# KiCad board SparkFun_Pro_Mini-ESP32_panelized.kicad_pcb (continued)
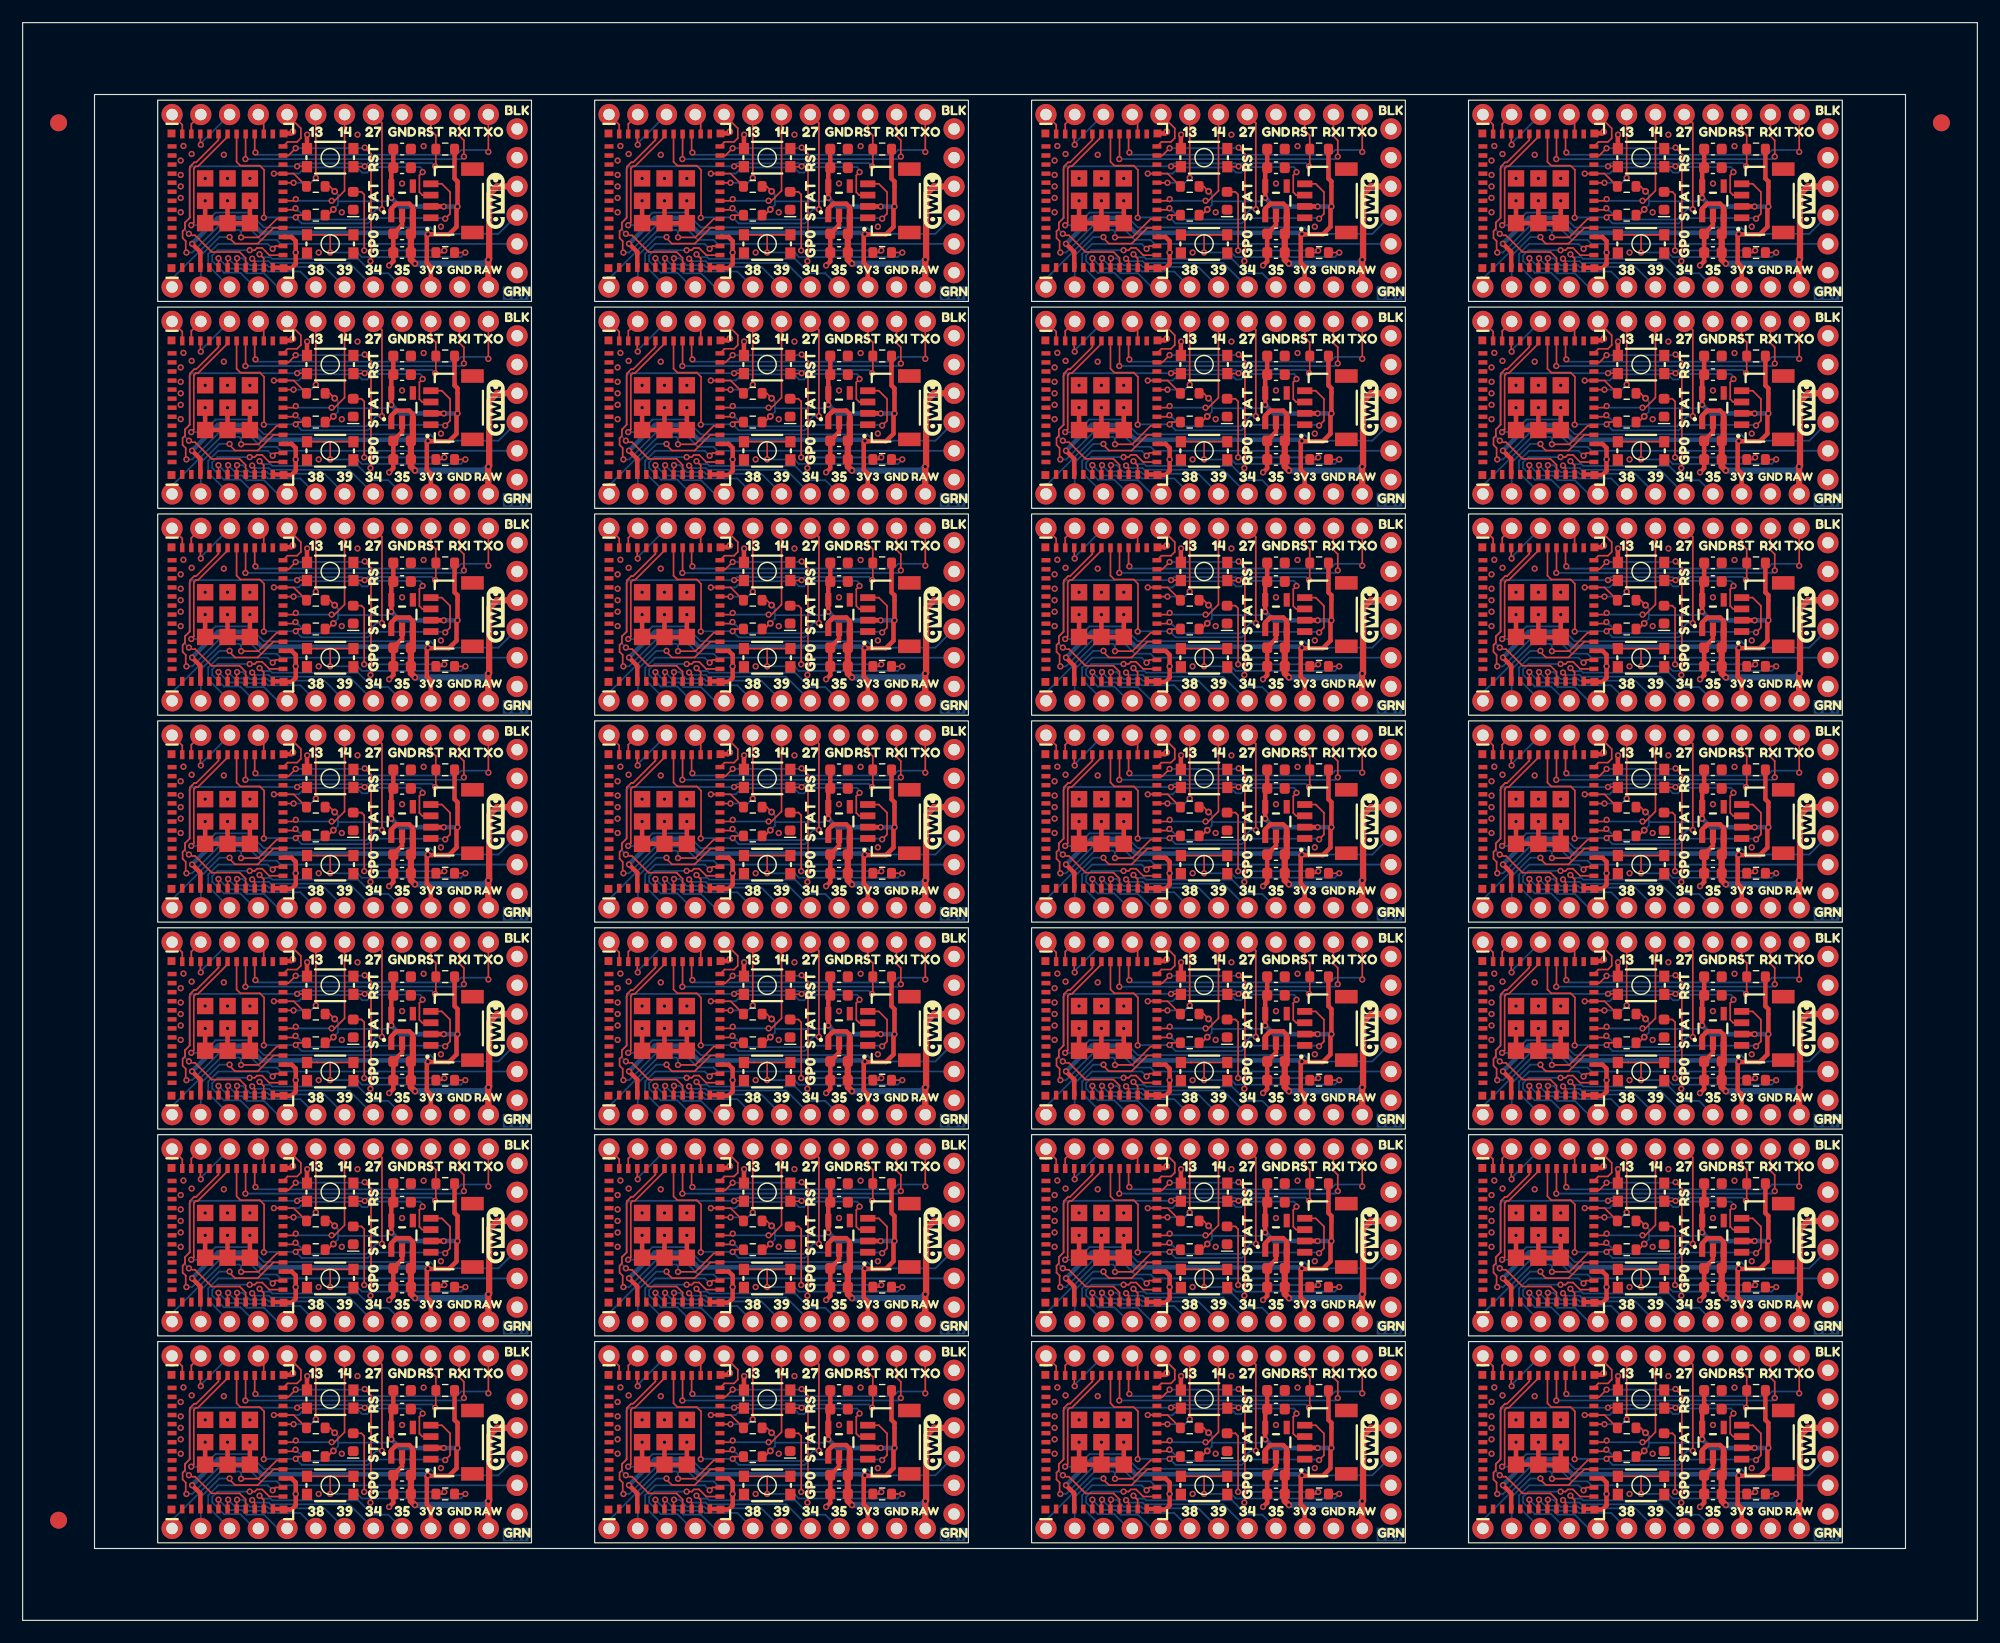
[diagram p0: board, top side]
## Placement (name value [footprint] x y rotation side) (continued)
kibuzzard-64DED6E1#5  G***  [kibuzzard-64DED6E1]  103.1 27.92 180 bottom
kibuzzard-64DED6E1#6  G***  [kibuzzard-64DED6E1]  103.1 64.48 180 bottom
kibuzzard-64DED6E1#7  G***  [kibuzzard-64DED6E1]  141.7 46.2 180 bottom
kibuzzard-64DED6E1#8  G***  [kibuzzard-64DED6E1]  64.5 64.48 180 bottom
kibuzzard-64DED6E1#9  G***  [kibuzzard-64DED6E1]  64.5 119.32 180 bottom
kibuzzard-64DED6E1#10  G***  [kibuzzard-64DED6E1]  141.7 101.04 180 bottom
kibuzzard-64DED6E1#11  G***  [kibuzzard-64DED6E1]  141.7 9.64 180 bottom
kibuzzard-64DED6E1#12  G***  [kibuzzard-64DED6E1]  141.7 27.92 180 bottom
kibuzzard-64DED6E1#13  G***  [kibuzzard-64DED6E1]  64.5 82.76 180 bottom
kibuzzard-64DED6E1#14  G***  [kibuzzard-64DED6E1]  25.9 46.2 180 bottom
kibuzzard-64DED6E1#15  G***  [kibuzzard-64DED6E1]  141.7 82.76 180 bottom
kibuzzard-64DED6E1#16  G***  [kibuzzard-64DED6E1]  103.1 9.64 180 bottom
kibuzzard-64DED6E1#17  G***  [kibuzzard-64DED6E1]  103.1 119.32 180 bottom
kibuzzard-64DED6E1#18  G***  [kibuzzard-64DED6E1]  141.7 64.48 180 bottom
kibuzzard-64DED6E1#19  G***  [kibuzzard-64DED6E1]  103.1 82.76 180 bottom
kibuzzard-64DED6E1#20  G***  [kibuzzard-64DED6E1]  64.5 27.92 180 bottom
kibuzzard-64DED6E1#21  G***  [kibuzzard-64DED6E1]  103.1 46.2 180 bottom
kibuzzard-64DED6E1#22  G***  [kibuzzard-64DED6E1]  25.9 119.32 180 bottom
kibuzzard-64DED6E1#23  G***  [kibuzzard-64DED6E1]  103.1 101.04 180 bottom
kibuzzard-64DED6E1#24  G***  [kibuzzard-64DED6E1]  141.7 119.32 180 bottom
kibuzzard-64DED6E1#25  G***  [kibuzzard-64DED6E1]  64.5 46.2 180 bottom
kibuzzard-64DED6E1#26  G***  [kibuzzard-64DED6E1]  25.9 9.64 180 bottom
kibuzzard-64DED6E1#27  G***  [kibuzzard-64DED6E1]  25.9 82.76 180 bottom
kibuzzard-64DED6E1#28  G***  [kibuzzard-64DED6E1]  25.9 27.92 180 bottom
kibuzzard-64DED6E8  G***  [kibuzzard-64DED6E8]  105.64 46.2 180 bottom
kibuzzard-64DED6E8#2  G***  [kibuzzard-64DED6E8]  28.44 9.64 180 bottom
kibuzzard-64DED6E8#3  G***  [kibuzzard-64DED6E8]  67.04 27.92 180 bottom
kibuzzard-64DED6E8#4  G***  [kibuzzard-64DED6E8]  144.24 82.76 180 bottom
kibuzzard-64DED6E8#5  G***  [kibuzzard-64DED6E8]  67.04 82.76 180 bottom
kibuzzard-64DED6E8#6  G***  [kibuzzard-64DED6E8]  67.04 46.2 180 bottom
kibuzzard-64DED6E8#7  G***  [kibuzzard-64DED6E8]  105.64 64.48 180 bottom
kibuzzard-64DED6E8#8  G***  [kibuzzard-64DED6E8]  28.44 119.32 180 bottom
kibuzzard-64DED6E8#9  G***  [kibuzzard-64DED6E8]  28.44 27.92 180 bottom
kibuzzard-64DED6E8#10  G***  [kibuzzard-64DED6E8]  28.44 46.2 180 bottom
kibuzzard-64DED6E8#11  G***  [kibuzzard-64DED6E8]  105.64 101.04 180 bottom
kibuzzard-64DED6E8#12  G***  [kibuzzard-64DED6E8]  105.64 27.92 180 bottom
kibuzzard-64DED6E8#13  G***  [kibuzzard-64DED6E8]  144.24 119.32 180 bottom
kibuzzard-64DED6E8#14  G***  [kibuzzard-64DED6E8]  144.24 101.04 180 bottom
kibuzzard-64DED6E8#15  G***  [kibuzzard-64DED6E8]  144.24 64.48 180 bottom
kibuzzard-64DED6E8#16  G***  [kibuzzard-64DED6E8]  144.24 27.92 180 bottom
kibuzzard-64DED6E8#17  G***  [kibuzzard-64DED6E8]  105.64 9.64 180 bottom
kibuzzard-64DED6E8#18  G***  [kibuzzard-64DED6E8]  105.64 119.32 180 bottom
kibuzzard-64DED6E8#19  G***  [kibuzzard-64DED6E8]  67.04 101.04 180 bottom
kibuzzard-64DED6E8#20  G***  [kibuzzard-64DED6E8]  28.44 101.04 180 bottom
kibuzzard-64DED6E8#21  G***  [kibuzzard-64DED6E8]  28.44 82.76 180 bottom
kibuzzard-64DED6E8#22  G***  [kibuzzard-64DED6E8]  67.04 9.64 180 bottom
kibuzzard-64DED6E8#23  G***  [kibuzzard-64DED6E8]  28.44 64.48 180 bottom
kibuzzard-64DED6E8#24  G***  [kibuzzard-64DED6E8]  67.04 64.48 180 bottom
kibuzzard-64DED6E8#25  G***  [kibuzzard-64DED6E8]  144.24 46.2 180 bottom
kibuzzard-64DED6E8#26  G***  [kibuzzard-64DED6E8]  67.04 119.32 180 bottom
kibuzzard-64DED6E8#27  G***  [kibuzzard-64DED6E8]  105.64 82.76 180 bottom
kibuzzard-64DED6E8#28  G***  [kibuzzard-64DED6E8]  144.24 9.64 180 bottom
kibuzzard-64DED6F2  G***  [kibuzzard-64DED6F2]  108.18 46.2 180 bottom
kibuzzard-64DED6F2#2  G***  [kibuzzard-64DED6F2]  69.58 9.64 180 bottom
kibuzzard-64DED6F2#3  G***  [kibuzzard-64DED6F2]  69.58 27.92 180 bottom
kibuzzard-64DED6F2#4  G***  [kibuzzard-64DED6F2]  146.78 82.76 180 bottom
kibuzzard-64DED6F2#5  G***  [kibuzzard-64DED6F2]  108.18 119.32 180 bottom
kibuzzard-64DED6F2#6  G***  [kibuzzard-64DED6F2]  30.98 46.2 180 bottom
kibuzzard-64DED6F2#7  G***  [kibuzzard-64DED6F2]  108.18 27.92 180 bottom
kibuzzard-64DED6F2#8  G***  [kibuzzard-64DED6F2]  69.58 46.2 180 bottom
kibuzzard-64DED6F2#9  G***  [kibuzzard-64DED6F2]  146.78 101.04 180 bottom
kibuzzard-64DED6F2#10  G***  [kibuzzard-64DED6F2]  146.78 119.32 180 bottom
kibuzzard-64DED6F2#11  G***  [kibuzzard-64DED6F2]  146.78 64.48 180 bottom
kibuzzard-64DED6F2#12  G***  [kibuzzard-64DED6F2]  69.58 101.04 180 bottom
kibuzzard-64DED6F2#13  G***  [kibuzzard-64DED6F2]  146.78 46.2 180 bottom
kibuzzard-64DED6F2#14  G***  [kibuzzard-64DED6F2]  30.98 119.32 180 bottom
kibuzzard-64DED6F2#15  G***  [kibuzzard-64DED6F2]  69.58 119.32 180 bottom
kibuzzard-64DED6F2#16  G***  [kibuzzard-64DED6F2]  69.58 64.48 180 bottom
kibuzzard-64DED6F2#17  G***  [kibuzzard-64DED6F2]  108.18 82.76 180 bottom
kibuzzard-64DED6F2#18  G***  [kibuzzard-64DED6F2]  146.78 27.92 180 bottom
kibuzzard-64DED6F2#19  G***  [kibuzzard-64DED6F2]  69.58 82.76 180 bottom
kibuzzard-64DED6F2#20  G***  [kibuzzard-64DED6F2]  30.98 82.76 180 bottom
kibuzzard-64DED6F2#21  G***  [kibuzzard-64DED6F2]  30.98 9.64 180 bottom
kibuzzard-64DED6F2#22  G***  [kibuzzard-64DED6F2]  146.78 9.64 180 bottom
kibuzzard-64DED6F2#23  G***  [kibuzzard-64DED6F2]  30.98 27.92 180 bottom
kibuzzard-64DED6F2#24  G***  [kibuzzard-64DED6F2]  108.18 9.64 180 bottom
kibuzzard-64DED6F2#25  G***  [kibuzzard-64DED6F2]  108.18 64.48 180 bottom
kibuzzard-64DED6F2#26  G***  [kibuzzard-64DED6F2]  30.98 64.48 180 bottom
kibuzzard-64DED6F2#27  G***  [kibuzzard-64DED6F2]  108.18 101.04 180 bottom
kibuzzard-64DED6F2#28  G***  [kibuzzard-64DED6F2]  30.98 101.04 180 bottom
kibuzzard-64DED6FA  G***  [kibuzzard-64DED6FA]  33.52 82.76 180 bottom
kibuzzard-64DED6FA#2  G***  [kibuzzard-64DED6FA]  149.32 9.64 180 bottom
kibuzzard-64DED6FA#3  G***  [kibuzzard-64DED6FA]  110.72 27.92 180 bottom
kibuzzard-64DED6FA#4  G***  [kibuzzard-64DED6FA]  72.12 101.04 180 bottom
kibuzzard-64DED6FA#5  G***  [kibuzzard-64DED6FA]  72.12 9.64 180 bottom
kibuzzard-64DED6FA#6  G***  [kibuzzard-64DED6FA]  149.32 46.2 180 bottom
kibuzzard-64DED6FA#7  G***  [kibuzzard-64DED6FA]  33.52 27.92 180 bottom
kibuzzard-64DED6FA#8  G***  [kibuzzard-64DED6FA]  149.32 101.04 180 bottom
kibuzzard-64DED6FA#9  G***  [kibuzzard-64DED6FA]  33.52 46.2 180 bottom
kibuzzard-64DED6FA#10  G***  [kibuzzard-64DED6FA]  110.72 9.64 180 bottom
kibuzzard-64DED6FA#11  G***  [kibuzzard-64DED6FA]  72.12 64.48 180 bottom
kibuzzard-64DED6FA#12  G***  [kibuzzard-64DED6FA]  33.52 101.04 180 bottom
kibuzzard-64DED6FA#13  G***  [kibuzzard-64DED6FA]  149.32 64.48 180 bottom
kibuzzard-64DED6FA#14  G***  [kibuzzard-64DED6FA]  149.32 27.92 180 bottom
kibuzzard-64DED6FA#15  G***  [kibuzzard-64DED6FA]  33.52 9.64 180 bottom
kibuzzard-64DED6FA#16  G***  [kibuzzard-64DED6FA]  72.12 27.92 180 bottom
kibuzzard-64DED6FA#17  G***  [kibuzzard-64DED6FA]  110.72 64.48 180 bottom
kibuzzard-64DED6FA#18  G***  [kibuzzard-64DED6FA]  149.32 119.32 180 bottom
kibuzzard-64DED6FA#19  G***  [kibuzzard-64DED6FA]  110.72 82.76 180 bottom
kibuzzard-64DED6FA#20  G***  [kibuzzard-64DED6FA]  33.52 119.32 180 bottom
kibuzzard-64DED6FA#21  G***  [kibuzzard-64DED6FA]  72.12 46.2 180 bottom
kibuzzard-64DED6FA#22  G***  [kibuzzard-64DED6FA]  110.72 101.04 180 bottom
kibuzzard-64DED6FA#23  G***  [kibuzzard-64DED6FA]  72.12 119.32 180 bottom
kibuzzard-64DED6FA#24  G***  [kibuzzard-64DED6FA]  72.12 82.76 180 bottom
kibuzzard-64DED6FA#25  G***  [kibuzzard-64DED6FA]  110.72 46.2 180 bottom
kibuzzard-64DED6FA#26  G***  [kibuzzard-64DED6FA]  33.52 64.48 180 bottom
kibuzzard-64DED6FA#27  G***  [kibuzzard-64DED6FA]  149.32 82.76 180 bottom
kibuzzard-64DED6FA#28  G***  [kibuzzard-64DED6FA]  110.72 119.32 180 bottom
kibuzzard-64DED7AA  G***  [kibuzzard-64DED7AA]  118.34 21.84 180 bottom
kibuzzard-64DED7AA#2  G***  [kibuzzard-64DED7AA]  41.14 21.84 180 bottom
kibuzzard-64DED7AA#3  G***  [kibuzzard-64DED7AA]  79.74 131.52 180 bottom
kibuzzard-64DED7AA#4  G***  [kibuzzard-64DED7AA]  79.74 113.24 180 bottom
kibuzzard-64DED7AA#5  G***  [kibuzzard-64DED7AA]  41.14 58.4 180 bottom
kibuzzard-64DED7AA#6  G***  [kibuzzard-64DED7AA]  156.94 58.4 180 bottom
kibuzzard-64DED7AA#7  G***  [kibuzzard-64DED7AA]  41.14 131.52 180 bottom
kibuzzard-64DED7AA#8  G***  [kibuzzard-64DED7AA]  118.34 113.24 180 bottom
kibuzzard-64DED7AA#9  G***  [kibuzzard-64DED7AA]  41.14 94.96 180 bottom
kibuzzard-64DED7AA#10  G***  [kibuzzard-64DED7AA]  79.74 76.68 180 bottom
kibuzzard-64DED7AA#11  G***  [kibuzzard-64DED7AA]  79.74 40.12 180 bottom
kibuzzard-64DED7AA#12  G***  [kibuzzard-64DED7AA]  79.74 94.96 180 bottom
kibuzzard-64DED7AA#13  G***  [kibuzzard-64DED7AA]  156.94 94.96 180 bottom
kibuzzard-64DED7AA#14  G***  [kibuzzard-64DED7AA]  79.74 58.4 180 bottom
kibuzzard-64DED7AA#15  G***  [kibuzzard-64DED7AA]  41.14 40.12 180 bottom
kibuzzard-64DED7AA#16  G***  [kibuzzard-64DED7AA]  118.34 40.12 180 bottom
kibuzzard-64DED7AA#17  G***  [kibuzzard-64DED7AA]  118.34 58.4 180 bottom
kibuzzard-64DED7AA#18  G***  [kibuzzard-64DED7AA]  41.14 76.68 180 bottom
kibuzzard-64DED7AA#19  G***  [kibuzzard-64DED7AA]  156.94 40.12 180 bottom
kibuzzard-64DED7AA#20  G***  [kibuzzard-64DED7AA]  118.34 94.96 180 bottom
kibuzzard-64DED7AA#21  G***  [kibuzzard-64DED7AA]  79.74 21.84 180 bottom
kibuzzard-64DED7AA#22  G***  [kibuzzard-64DED7AA]  156.94 131.52 180 bottom
kibuzzard-64DED7AA#23  G***  [kibuzzard-64DED7AA]  156.94 76.68 180 bottom
kibuzzard-64DED7AA#24  G***  [kibuzzard-64DED7AA]  118.34 76.68 180 bottom
kibuzzard-64DED7AA#25  G***  [kibuzzard-64DED7AA]  41.14 113.24 180 bottom
kibuzzard-64DED7AA#26  G***  [kibuzzard-64DED7AA]  118.34 131.52 180 bottom
kibuzzard-64DED7AA#27  G***  [kibuzzard-64DED7AA]  156.94 113.24 180 bottom
kibuzzard-64DED7AA#28  G***  [kibuzzard-64DED7AA]  156.94 21.84 180 bottom
kibuzzard-64DED7E9  G***  [kibuzzard-64DED7E9]  61.96 94.96 180 bottom
kibuzzard-64DED7E9#2  G***  [kibuzzard-64DED7E9]  61.96 58.4 180 bottom
kibuzzard-64DED7E9#3  G***  [kibuzzard-64DED7E9]  139.16 58.4 180 bottom
kibuzzard-64DED7E9#4  G***  [kibuzzard-64DED7E9]  23.36 21.84 180 bottom
kibuzzard-64DED7E9#5  G***  [kibuzzard-64DED7E9]  100.56 113.24 180 bottom
kibuzzard-64DED7E9#6  G***  [kibuzzard-64DED7E9]  61.96 76.68 180 bottom
kibuzzard-64DED7E9#7  G***  [kibuzzard-64DED7E9]  100.56 94.96 180 bottom
kibuzzard-64DED7E9#8  G***  [kibuzzard-64DED7E9]  61.96 21.84 180 bottom
kibuzzard-64DED7E9#9  G***  [kibuzzard-64DED7E9]  139.16 76.68 180 bottom
kibuzzard-64DED7E9#10  G***  [kibuzzard-64DED7E9]  23.36 113.24 180 bottom
kibuzzard-64DED7E9#11  G***  [kibuzzard-64DED7E9]  139.16 40.12 180 bottom
kibuzzard-64DED7E9#12  G***  [kibuzzard-64DED7E9]  139.16 94.96 180 bottom
kibuzzard-64DED7E9#13  G***  [kibuzzard-64DED7E9]  23.36 58.4 180 bottom
kibuzzard-64DED7E9#14  G***  [kibuzzard-64DED7E9]  23.36 40.12 180 bottom
kibuzzard-64DED7E9#15  G***  [kibuzzard-64DED7E9]  139.16 113.24 180 bottom
kibuzzard-64DED7E9#16  G***  [kibuzzard-64DED7E9]  100.56 58.4 180 bottom
kibuzzard-64DED7E9#17  G***  [kibuzzard-64DED7E9]  100.56 21.84 180 bottom
kibuzzard-64DED7E9#18  G***  [kibuzzard-64DED7E9]  139.16 21.84 180 bottom
kibuzzard-64DED7E9#19  G***  [kibuzzard-64DED7E9]  100.56 76.68 180 bottom
kibuzzard-64DED7E9#20  G***  [kibuzzard-64DED7E9]  61.96 113.24 180 bottom
kibuzzard-64DED7E9#21  G***  [kibuzzard-64DED7E9]  61.96 131.52 180 bottom
kibuzzard-64DED7E9#22  G***  [kibuzzard-64DED7E9]  100.56 40.12 180 bottom
kibuzzard-64DED7E9#23  G***  [kibuzzard-64DED7E9]  100.56 131.52 180 bottom
kibuzzard-64DED7E9#24  G***  [kibuzzard-64DED7E9]  23.36 94.96 180 bottom
kibuzzard-64DED7E9#25  G***  [kibuzzard-64DED7E9]  139.16 131.52 180 bottom
kibuzzard-64DED7E9#26  G***  [kibuzzard-64DED7E9]  61.96 40.12 180 bottom
kibuzzard-64DED7E9#27  G***  [kibuzzard-64DED7E9]  23.36 76.68 180 bottom
kibuzzard-64DED7E9#28  G***  [kibuzzard-64DED7E9]  23.36 131.52 180 bottom
kibuzzard-64DED7F5  G***  [kibuzzard-64DED7F5]  59.42 58.4 180 bottom
kibuzzard-64DED7F5#2  G***  [kibuzzard-64DED7F5]  59.42 131.52 180 bottom
kibuzzard-64DED7F5#3  G***  [kibuzzard-64DED7F5]  98.02 76.68 180 bottom
kibuzzard-64DED7F5#4  G***  [kibuzzard-64DED7F5]  98.02 21.84 180 bottom
kibuzzard-64DED7F5#5  G***  [kibuzzard-64DED7F5]  136.62 94.96 180 bottom
kibuzzard-64DED7F5#6  G***  [kibuzzard-64DED7F5]  98.02 94.96 180 bottom
kibuzzard-64DED7F5#7  G***  [kibuzzard-64DED7F5]  59.42 76.68 180 bottom
kibuzzard-64DED7F5#8  G***  [kibuzzard-64DED7F5]  20.82 94.96 180 bottom
kibuzzard-64DED7F5#9  G***  [kibuzzard-64DED7F5]  20.82 58.4 180 bottom
kibuzzard-64DED7F5#10  G***  [kibuzzard-64DED7F5]  20.82 113.24 180 bottom
kibuzzard-64DED7F5#11  G***  [kibuzzard-64DED7F5]  98.02 40.12 180 bottom
kibuzzard-64DED7F5#12  G***  [kibuzzard-64DED7F5]  20.82 21.84 180 bottom
kibuzzard-64DED7F5#13  G***  [kibuzzard-64DED7F5]  20.82 40.12 180 bottom
kibuzzard-64DED7F5#14  G***  [kibuzzard-64DED7F5]  136.62 131.52 180 bottom
kibuzzard-64DED7F5#15  G***  [kibuzzard-64DED7F5]  20.82 76.68 180 bottom
kibuzzard-64DED7F5#16  G***  [kibuzzard-64DED7F5]  59.42 40.12 180 bottom
kibuzzard-64DED7F5#17  G***  [kibuzzard-64DED7F5]  59.42 21.84 180 bottom
kibuzzard-64DED7F5#18  G***  [kibuzzard-64DED7F5]  59.42 94.96 180 bottom
kibuzzard-64DED7F5#19  G***  [kibuzzard-64DED7F5]  59.42 113.24 180 bottom
kibuzzard-64DED7F5#20  G***  [kibuzzard-64DED7F5]  20.82 131.52 180 bottom
kibuzzard-64DED7F5#21  G***  [kibuzzard-64DED7F5]  136.62 76.68 180 bottom
kibuzzard-64DED7F5#22  G***  [kibuzzard-64DED7F5]  136.62 113.24 180 bottom
kibuzzard-64DED7F5#23  G***  [kibuzzard-64DED7F5]  136.62 21.84 180 bottom
kibuzzard-64DED7F5#24  G***  [kibuzzard-64DED7F5]  136.62 40.12 180 bottom
kibuzzard-64DED7F5#25  G***  [kibuzzard-64DED7F5]  98.02 113.24 180 bottom
kibuzzard-64DED7F5#26  G***  [kibuzzard-64DED7F5]  98.02 58.4 180 bottom
kibuzzard-64DED7F5#27  G***  [kibuzzard-64DED7F5]  98.02 131.52 180 bottom
kibuzzard-64DED7F5#28  G***  [kibuzzard-64DED7F5]  136.62 58.4 180 bottom
kibuzzard-64DED7FB  G***  [kibuzzard-64DED7FB]  18.28 58.4 180 bottom
kibuzzard-64DED7FB#2  G***  [kibuzzard-64DED7FB]  95.48 58.4 180 bottom
kibuzzard-64DED7FB#3  G***  [kibuzzard-64DED7FB]  56.88 131.52 180 bottom
kibuzzard-64DED7FB#4  G***  [kibuzzard-64DED7FB]  134.08 131.52 180 bottom
kibuzzard-64DED7FB#5  G***  [kibuzzard-64DED7FB]  56.88 94.96 180 bottom
kibuzzard-64DED7FB#6  G***  [kibuzzard-64DED7FB]  95.48 40.12 180 bottom
kibuzzard-64DED7FB#7  G***  [kibuzzard-64DED7FB]  18.28 21.84 180 bottom
kibuzzard-64DED7FB#8  G***  [kibuzzard-64DED7FB]  18.28 131.52 180 bottom
kibuzzard-64DED7FB#9  G***  [kibuzzard-64DED7FB]  56.88 113.24 180 bottom
kibuzzard-64DED7FB#10  G***  [kibuzzard-64DED7FB]  134.08 58.4 180 bottom
kibuzzard-64DED7FB#11  G***  [kibuzzard-64DED7FB]  56.88 76.68 180 bottom
kibuzzard-64DED7FB#12  G***  [kibuzzard-64DED7FB]  95.48 76.68 180 bottom
kibuzzard-64DED7FB#13  G***  [kibuzzard-64DED7FB]  134.08 21.84 180 bottom
kibuzzard-64DED7FB#14  G***  [kibuzzard-64DED7FB]  134.08 113.24 180 bottom
kibuzzard-64DED7FB#15  G***  [kibuzzard-64DED7FB]  56.88 40.12 180 bottom
kibuzzard-64DED7FB#16  G***  [kibuzzard-64DED7FB]  95.48 21.84 180 bottom
kibuzzard-64DED7FB#17  G***  [kibuzzard-64DED7FB]  18.28 76.68 180 bottom
kibuzzard-64DED7FB#18  G***  [kibuzzard-64DED7FB]  134.08 76.68 180 bottom
kibuzzard-64DED7FB#19  G***  [kibuzzard-64DED7FB]  56.88 21.84 180 bottom
kibuzzard-64DED7FB#20  G***  [kibuzzard-64DED7FB]  95.48 94.96 180 bottom
kibuzzard-64DED7FB#21  G***  [kibuzzard-64DED7FB]  134.08 40.12 180 bottom
kibuzzard-64DED7FB#22  G***  [kibuzzard-64DED7FB]  134.08 94.96 180 bottom
kibuzzard-64DED7FB#23  G***  [kibuzzard-64DED7FB]  18.28 94.96 180 bottom
kibuzzard-64DED7FB#24  G***  [kibuzzard-64DED7FB]  95.48 113.24 180 bottom
kibuzzard-64DED7FB#25  G***  [kibuzzard-64DED7FB]  95.48 131.52 180 bottom
kibuzzard-64DED7FB#26  G***  [kibuzzard-64DED7FB]  18.28 113.24 180 bottom
kibuzzard-64DED7FB#27  G***  [kibuzzard-64DED7FB]  18.28 40.12 180 bottom
kibuzzard-64DED7FB#28  G***  [kibuzzard-64DED7FB]  56.88 58.4 180 bottom
kibuzzard-64DED70D  G***  [kibuzzard-64DED70D]  146.78 9.64 0 top
kibuzzard-64DED70D#2  G***  [kibuzzard-64DED70D]  30.98 64.48 0 top
kibuzzard-64DED70D#3  G***  [kibuzzard-64DED70D]  30.98 9.64 0 top
kibuzzard-64DED70D#4  G***  [kibuzzard-64DED70D]  30.98 119.32 0 top
kibuzzard-64DED70D#5  G***  [kibuzzard-64DED70D]  108.18 64.48 0 top
kibuzzard-64DED70D#6  G***  [kibuzzard-64DED70D]  108.18 82.76 0 top
kibuzzard-64DED70D#7  G***  [kibuzzard-64DED70D]  69.58 27.92 0 top
kibuzzard-64DED70D#8  G***  [kibuzzard-64DED70D]  108.18 46.2 0 top
kibuzzard-64DED70D#9  G***  [kibuzzard-64DED70D]  30.98 46.2 0 top
kibuzzard-64DED70D#10  G***  [kibuzzard-64DED70D]  30.98 27.92 0 top
kibuzzard-64DED70D#11  G***  [kibuzzard-64DED70D]  146.78 82.76 0 top
kibuzzard-64DED70D#12  G***  [kibuzzard-64DED70D]  30.98 101.04 0 top
kibuzzard-64DED70D#13  G***  [kibuzzard-64DED70D]  69.58 64.48 0 top
kibuzzard-64DED70D#14  G***  [kibuzzard-64DED70D]  146.78 46.2 0 top
kibuzzard-64DED70D#15  G***  [kibuzzard-64DED70D]  146.78 101.04 0 top
kibuzzard-64DED70D#16  G***  [kibuzzard-64DED70D]  108.18 27.92 0 top
kibuzzard-64DED70D#17  G***  [kibuzzard-64DED70D]  146.78 27.92 0 top
kibuzzard-64DED70D#18  G***  [kibuzzard-64DED70D]  69.58 46.2 0 top
kibuzzard-64DED70D#19  G***  [kibuzzard-64DED70D]  30.98 82.76 0 top
kibuzzard-64DED70D#20  G***  [kibuzzard-64DED70D]  69.58 101.04 0 top
kibuzzard-64DED70D#21  G***  [kibuzzard-64DED70D]  108.18 9.64 0 top
kibuzzard-64DED70D#22  G***  [kibuzzard-64DED70D]  146.78 64.48 0 top
kibuzzard-64DED70D#23  G***  [kibuzzard-64DED70D]  108.18 119.32 0 top
kibuzzard-64DED70D#24  G***  [kibuzzard-64DED70D]  146.78 119.32 0 top
kibuzzard-64DED70D#25  G***  [kibuzzard-64DED70D]  108.18 101.04 0 top
kibuzzard-64DED70D#26  G***  [kibuzzard-64DED70D]  69.58 82.76 0 top
kibuzzard-64DED70D#27  G***  [kibuzzard-64DED70D]  69.58 9.64 0 top
kibuzzard-64DED70D#28  G***  [kibuzzard-64DED70D]  69.58 119.32 0 top
kibuzzard-64DED73C  G***  [kibuzzard-64DED73C]  64.5 101.04 0 top
kibuzzard-64DED73C#2  G***  [kibuzzard-64DED73C]  103.1 64.48 0 top
kibuzzard-64DED73C#3  G***  [kibuzzard-64DED73C]  64.5 27.92 0 top
kibuzzard-64DED73C#4  G***  [kibuzzard-64DED73C]  103.1 119.32 0 top
kibuzzard-64DED73C#5  G***  [kibuzzard-64DED73C]  141.7 119.32 0 top
kibuzzard-64DED73C#6  G***  [kibuzzard-64DED73C]  103.1 27.92 0 top
kibuzzard-64DED73C#7  G***  [kibuzzard-64DED73C]  141.7 27.92 0 top
kibuzzard-64DED73C#8  G***  [kibuzzard-64DED73C]  25.9 64.48 0 top
kibuzzard-64DED73C#9  G***  [kibuzzard-64DED73C]  103.1 9.64 0 top
kibuzzard-64DED73C#10  G***  [kibuzzard-64DED73C]  64.5 119.32 0 top
kibuzzard-64DED73C#11  G***  [kibuzzard-64DED73C]  25.9 9.64 0 top
kibuzzard-64DED73C#12  G***  [kibuzzard-64DED73C]  25.9 27.92 0 top
kibuzzard-64DED73C#13  G***  [kibuzzard-64DED73C]  141.7 101.04 0 top
kibuzzard-64DED73C#14  G***  [kibuzzard-64DED73C]  25.9 46.2 0 top
kibuzzard-64DED73C#15  G***  [kibuzzard-64DED73C]  103.1 82.76 0 top
kibuzzard-64DED73C#16  G***  [kibuzzard-64DED73C]  141.7 46.2 0 top
kibuzzard-64DED73C#17  G***  [kibuzzard-64DED73C]  64.5 46.2 0 top
kibuzzard-64DED73C#18  G***  [kibuzzard-64DED73C]  25.9 119.32 0 top
kibuzzard-64DED73C#19  G***  [kibuzzard-64DED73C]  103.1 101.04 0 top
kibuzzard-64DED73C#20  G***  [kibuzzard-64DED73C]  64.5 9.64 0 top
kibuzzard-64DED73C#21  G***  [kibuzzard-64DED73C]  141.7 64.48 0 top
kibuzzard-64DED73C#22  G***  [kibuzzard-64DED73C]  64.5 64.48 0 top
kibuzzard-64DED73C#23  G***  [kibuzzard-64DED73C]  103.1 46.2 0 top
kibuzzard-64DED73C#24  G***  [kibuzzard-64DED73C]  141.7 9.64 0 top
kibuzzard-64DED73C#25  G***  [kibuzzard-64DED73C]  25.9 101.04 0 top
kibuzzard-64DED73C#26  G***  [kibuzzard-64DED73C]  64.5 82.76 0 top
kibuzzard-64DED73C#27  G***  [kibuzzard-64DED73C]  141.7 82.76 0 top
kibuzzard-64DED73C#28  G***  [kibuzzard-64DED73C]  25.9 82.76 0 top
kibuzzard-64DED75D  G***  [kibuzzard-64DED75D]  159.48 42.02 0 top
kibuzzard-64DED75D#2  G***  [kibuzzard-64DED75D]  82.28 96.86 0 top
kibuzzard-64DED75D#3  G***  [kibuzzard-64DED75D]  120.88 60.3 0 top
kibuzzard-64DED75D#4  G***  [kibuzzard-64DED75D]  82.28 115.14 0 top
kibuzzard-64DED75D#5  G***  [kibuzzard-64DED75D]  43.68 78.58 0 top
kibuzzard-64DED75D#6  G***  [kibuzzard-64DED75D]  120.88 133.42 0 top
kibuzzard-64DED75D#7  G***  [kibuzzard-64DED75D]  120.88 78.58 0 top
kibuzzard-64DED75D#8  G***  [kibuzzard-64DED75D]  120.88 42.02 0 top
kibuzzard-64DED75D#9  G***  [kibuzzard-64DED75D]  120.88 115.14 0 top
kibuzzard-64DED75D#10  G***  [kibuzzard-64DED75D]  159.48 23.74 0 top
kibuzzard-64DED75D#11  G***  [kibuzzard-64DED75D]  159.48 115.14 0 top
kibuzzard-64DED75D#12  G***  [kibuzzard-64DED75D]  82.28 42.02 0 top
kibuzzard-64DED75D#13  G***  [kibuzzard-64DED75D]  82.28 78.58 0 top
kibuzzard-64DED75D#14  G***  [kibuzzard-64DED75D]  120.88 96.86 0 top
kibuzzard-64DED75D#15  G***  [kibuzzard-64DED75D]  43.68 60.3 0 top
kibuzzard-64DED75D#16  G***  [kibuzzard-64DED75D]  120.88 23.74 0 top
kibuzzard-64DED75D#17  G***  [kibuzzard-64DED75D]  159.48 60.3 0 top
kibuzzard-64DED75D#18  G***  [kibuzzard-64DED75D]  82.28 60.3 0 top
kibuzzard-64DED75D#19  G***  [kibuzzard-64DED75D]  43.68 133.42 0 top
kibuzzard-64DED75D#20  G***  [kibuzzard-64DED75D]  43.68 96.86 0 top
kibuzzard-64DED75D#21  G***  [kibuzzard-64DED75D]  43.68 23.74 0 top
kibuzzard-64DED75D#22  G***  [kibuzzard-64DED75D]  43.68 42.02 0 top
kibuzzard-64DED75D#23  G***  [kibuzzard-64DED75D]  159.48 78.58 0 top
kibuzzard-64DED75D#24  G***  [kibuzzard-64DED75D]  82.28 23.74 0 top
kibuzzard-64DED75D#25  G***  [kibuzzard-64DED75D]  82.28 133.42 0 top
kibuzzard-64DED75D#26  G***  [kibuzzard-64DED75D]  159.48 133.42 0 top
kibuzzard-64DED75D#27  G***  [kibuzzard-64DED75D]  159.48 96.86 0 top
kibuzzard-64DED75D#28  G***  [kibuzzard-64DED75D]  43.68 115.14 0 top
kibuzzard-64DED79E  G***  [kibuzzard-64DED79E]  38.6 94.96 180 bottom
kibuzzard-64DED79E#2  G***  [kibuzzard-64DED79E]  154.4 113.24 180 bottom
kibuzzard-64DED79E#3  G***  [kibuzzard-64DED79E]  115.8 94.96 180 bottom
kibuzzard-64DED79E#4  G***  [kibuzzard-64DED79E]  38.6 131.52 180 bottom
kibuzzard-64DED79E#5  G***  [kibuzzard-64DED79E]  77.2 40.12 180 bottom
kibuzzard-64DED79E#6  G***  [kibuzzard-64DED79E]  154.4 21.84 180 bottom
kibuzzard-64DED79E#7  G***  [kibuzzard-64DED79E]  38.6 76.68 180 bottom
kibuzzard-64DED79E#8  G***  [kibuzzard-64DED79E]  115.8 76.68 180 bottom
kibuzzard-64DED79E#9  G***  [kibuzzard-64DED79E]  38.6 21.84 180 bottom
kibuzzard-64DED79E#10  G***  [kibuzzard-64DED79E]  77.2 58.4 180 bottom
kibuzzard-64DED79E#11  G***  [kibuzzard-64DED79E]  154.4 76.68 180 bottom
kibuzzard-64DED79E#12  G***  [kibuzzard-64DED79E]  38.6 58.4 180 bottom
kibuzzard-64DED79E#13  G***  [kibuzzard-64DED79E]  38.6 40.12 180 bottom
kibuzzard-64DED79E#14  G***  [kibuzzard-64DED79E]  77.2 113.24 180 bottom
kibuzzard-64DED79E#15  G***  [kibuzzard-64DED79E]  77.2 94.96 180 bottom
kibuzzard-64DED79E#16  G***  [kibuzzard-64DED79E]  115.8 131.52 180 bottom
kibuzzard-64DED79E#17  G***  [kibuzzard-64DED79E]  115.8 113.24 180 bottom
kibuzzard-64DED79E#18  G***  [kibuzzard-64DED79E]  154.4 58.4 180 bottom
kibuzzard-64DED79E#19  G***  [kibuzzard-64DED79E]  154.4 94.96 180 bottom
kibuzzard-64DED79E#20  G***  [kibuzzard-64DED79E]  115.8 21.84 180 bottom
kibuzzard-64DED79E#21  G***  [kibuzzard-64DED79E]  77.2 76.68 180 bottom
kibuzzard-64DED79E#22  G***  [kibuzzard-64DED79E]  77.2 21.84 180 bottom
kibuzzard-64DED79E#23  G***  [kibuzzard-64DED79E]  115.8 58.4 180 bottom
kibuzzard-64DED79E#24  G***  [kibuzzard-64DED79E]  115.8 40.12 180 bottom
kibuzzard-64DED79E#25  G***  [kibuzzard-64DED79E]  154.4 40.12 180 bottom
kibuzzard-64DED79E#26  G***  [kibuzzard-64DED79E]  38.6 113.24 180 bottom
kibuzzard-64DED79E#27  G***  [kibuzzard-64DED79E]  154.4 131.52 180 bottom
kibuzzard-64DED79E#28  G***  [kibuzzard-64DED79E]  77.2 131.52 180 bottom
kibuzzard-64DED707  G***  [kibuzzard-64DED707]  33.52 64.48 0 top
kibuzzard-64DED707#2  G***  [kibuzzard-64DED707]  149.32 101.04 0 top
kibuzzard-64DED707#3  G***  [kibuzzard-64DED707]  110.72 101.04 0 top
kibuzzard-64DED707#4  G***  [kibuzzard-64DED707]  110.72 27.92 0 top
kibuzzard-64DED707#5  G***  [kibuzzard-64DED707]  72.12 119.32 0 top
kibuzzard-64DED707#6  G***  [kibuzzard-64DED707]  149.32 119.32 0 top
kibuzzard-64DED707#7  G***  [kibuzzard-64DED707]  110.72 64.48 0 top
kibuzzard-64DED707#8  G***  [kibuzzard-64DED707]  149.32 9.64 0 top
kibuzzard-64DED707#9  G***  [kibuzzard-64DED707]  149.32 64.48 0 top
kibuzzard-64DED707#10  G***  [kibuzzard-64DED707]  149.32 46.2 0 top
kibuzzard-64DED707#11  G***  [kibuzzard-64DED707]  33.52 9.64 0 top